# Altium PCB MB1272C.PcbDoc (part 6 of 10) (continued)
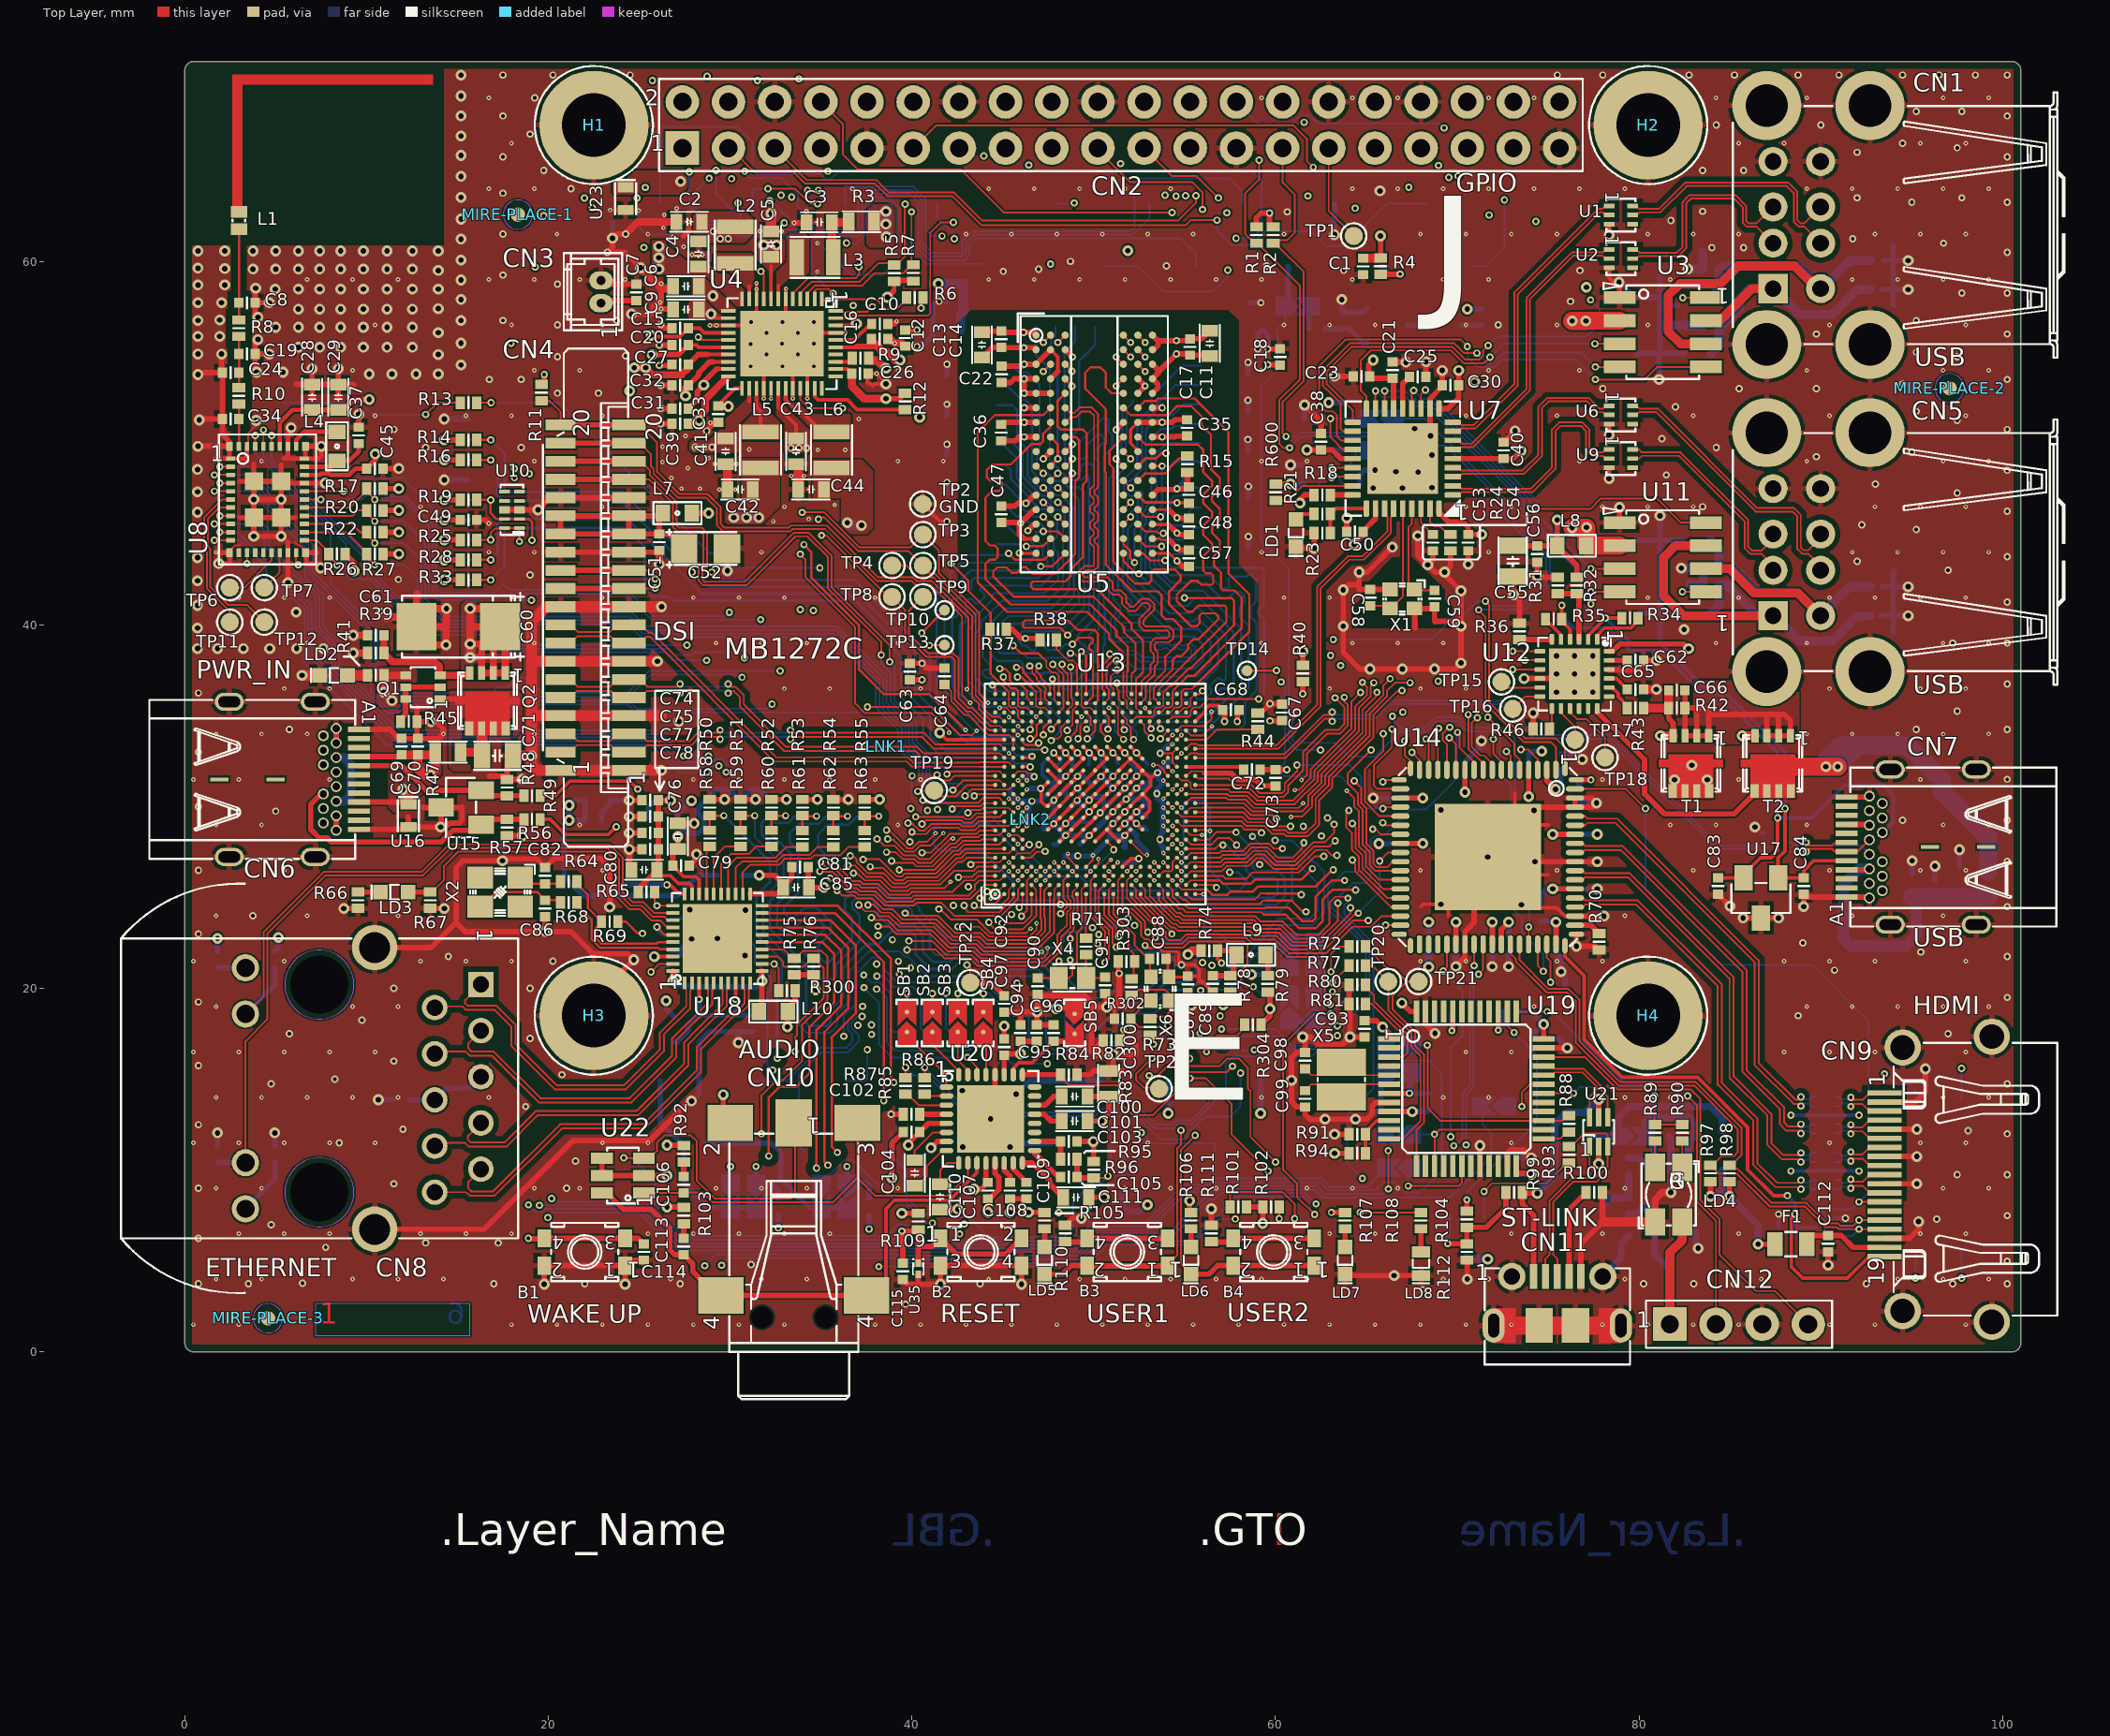
[diagram p0: Top Layer view]
## Nets (pads, with @x,y where several pads share a name; then routed paths per layer and width w, separated by ;. In a path a pad name is that pad's centre, name@x,y a point inside that pad or via, vN(x,y) a via of type N, cw(c..) or ccw(c..) an arc to the next point about the centre after c; other vN are vias at no path point) (continued)
  Top Layer w0.4: v3(9.275,38.45) R39.1@10.05,38.45 ; v3(9.275,39.425) C61.2@10.05,39.425 ; 11.075,40.35 11.15,40.425 12.225,40.425 C60.2@12.75,39.9 ; C60.2@12.725,38.9 v3(14.375,38.9) ; 12.775,41.7 12.75,41.675 C60.2@12.75,40.9 ; v3@14.4,38.9 v3(14.375,38.9) ; v3(14.4,40.9) 14.4,39.9 ; v3@14.425,40.9 C60.2@12.75,40.9 ; v1(24.25,61.5) 24.925,62.175 C2.1@27.05,62.175 ; v3(25.075,59.65) 26.2,58.525 26.25,58.475 C6.1@26.6,58.475 ; v3(26.1,43.325) C51.1@26.1,44.1 ; C16.1@38.751,55.801 v2(39.053,55.5) 39.45,55.5 C12.1@39.62,55.33 39.64,55.31 v1(40.28,55.31) ; LD4.1@80.875,7.15 80.875,8.375 81.275,8.775 v3(81.75,8.775) ; C60.2@12.75,39.9 14.4,39.9 ; C60.2@12.75,39.9 C60.2@12.75,40.9 ; v3(14.375,38.9) 14.375,39.875 14.4,39.9
  Top Layer w0.5: C4.1@28.125,61.1 C4.1@28.25,61.1 ; C41.1@29.75,48.85 29.85,48.75 C42.1@29.85,47.45 ; C43.1@33.625,48.85 33.625,48.75 33.75,48.625 C44.1@33.75,47.45 ; 78,7.15 LD4.1@80.875,7.15 ; C65.1@80.25,36.45 v3(80.95,36.45)
  Top Layer w0.6: v3(6.45,37.225) LD2.2@7.45,37.225 ; C71.1@18.05,32.8 v3(19.091,32.8) ; v3(26,38) CN4.7@24.425,38 CN4.7@20.675,38 19.138,38 19.091,37.952 ; v3(26.225,32) CN4.1@24.425,32 CN4.1@20.675,32 19.361,32 19.091,32.27 v3(19.091,32.8) ; 26.225,35 CN4.4@24.425,35 CN4.4@20.675,35 19.113,35 19.091,35.022 ; v3(26.225,41) CN4.10@24.425,41 CN4.10@20.675,41 20.557,41 20.554,41.003 19.903,41.003 19.091,40.191 19.091,37.952 ; C5.1@32.25,61.65 32.25,61.696 32.25,62.635 v3(32.255,62.64) ; v3(19.091,32.8) 19.091,35.022 ; 19.091,35.022 19.091,37.952
  Top Layer w1: CN11.9@72,1.45 CN11.10@74.5,1.45 CN11.11@76.5,1.45 CN11.8@79,1.45
  Signal Layer 1 w0.1: v3(36.5,30.4) 37.315,31.215 41.055,31.215 41.705,30.565 42.4,30.565 42.775,30.94 45.219,30.94 45.719,30.44 v2(45.83,30.44) ; v2(45.83,26.44) 46.205,26.815 ; v2(45.83,27.94) 45.83,27.19 46.205,26.815 ; v2(47.83,26.44) 47.455,26.815 ; v1(48.455,29.065) 47.905,28.515 47.905,27.404 47.455,26.954 47.455,26.815 ; v1(51.055,31.665) 51.055,32.315 v1(51.705,32.965) 51.705,33.015 52.03,33.34 53.93,33.34 54.33,32.94 v2(54.83,32.94) ; v1(53.505,31.865) 52.555,31.865 v1(52.355,31.665) 53.03,30.99 53.991,30.99 54.216,31.215 54.444,31.215 54.719,30.94 v2(54.83,30.94) ; v2(54.33,28.94) 54.055,28.665 51.955,28.665 v1(51.705,28.415) 52.405,27.715 53.944,27.715 54.719,26.94 v2(54.83,26.94) 55.388,26.382 55.388,25.807 56.02,25.175 v4(56.025,25.175) ; 46.205,26.815 47.455,26.815
  Signal Layer 1 w0.13: 50.525,25.425 50.525,26.05 ; 50.625,26.695 50.6,26.67 ; v1(51.055,29.065) 50.6,28.61 50.6,26.67 ; 50.525,26.05 50.6,26.125 50.6,26.67 ; 50.525,26.05 50.525,26.595 50.6,26.67
  Signal Layer 1 w0.2: v3(46.875,18.7) 46.875,19.36 47.08,19.565 ; 50.55,25.379 50.55,24.045 51.33,23.265 51.607,23.265 52.143,22.728 ; v1(51.4,20.82) v1@51.4,20.995 ; v2(54.83,32.94) 55.23,32.94 ; 64.23,37.42 64.23,36.465 ; 47.08,19.565 48.33,19.565 48.92,18.975 v3(50.725,18.975) 50.966,18.975 51.916,18.025 53.599,18.025 53.914,18.34 54.245,18.34 54.262,18.323 54.275,18.335 54.275,18.548 54.509,18.782 55.082,18.782 v3(55.375,19.075) 55.335,19.075 54.88,19.53 54.88,21.24 v1(54.83,21.29) 53.755,22.365 v1(52.83,22.365) 52.507,22.365 52.143,22.728 ; 47.08,19.565 47.415,19.9 49.815,19.9 51.155,21.24 v1@51.4,20.995 ; v1@51.4,20.995 51.4,21.36 51.755,21.715 51.755,22.44 52.043,22.728 52.143,22.728 ; 55.23,32.94 60.026,32.94 61.151,34.065 63.505,34.065 64.23,34.79 64.23,36.465 ; 55.23,32.94 55.23,33.091 55.629,33.49 57.414,33.49 57.814,33.89 58.241,33.89 58.566,34.215 59.98,34.215 60.233,34.468 60.233,34.943 61.03,35.74 61.78,35.74 62.505,36.465 64.23,36.465
  Signal Layer 1 w0.3: v3(61.5,17.325) v3@61.5,17.3 ; v3@61.513,17.312 v3@61.5,17.3 ; v3@64.08,17.305 v3@64.1,17.305 ; v3(64.1,17.325) v3@64.1,17.305 ; 64.23,37.42 64.23,37.575 ; v3(66.425,44.275) v3@66.555,44.405 ; v3@61.5,17.3 60.875,16.675 v3(60.875,14.95) 60.875,14.02 62.095,12.8 v3(62.725,12.8) v3(64.4,12.8) 65.54,12.8 65.855,13.115 65.855,16.465 65.015,17.305 v3@64.1,17.305 ; v3@61.5,17.3 61.5,17.275 61.85,16.925 63.825,16.925 64.1,17.2 v3@64.1,17.305 ; 64.23,37.575 v3(65.2,37.575) v3(66.975,37.575) v3(68.75,37.575) 69.875,37.575 v3(70.2,37.9) v3(70.2,39.925) v3(70.2,41.875) 70.2,42 v3(69.3,42.9) 68.775,42.9 v3(68.375,43.3) 68.375,44.35 v3(67.825,44.9) 67.05,44.9 v3@66.555,44.405 ; 64.23,37.575 64.23,38.44 63.725,38.945 v3(63.725,39.925) v3(63.725,41.925) 63.725,42.025 v3(64.6,42.9) 64.99,42.9 66.495,44.405 v3@66.555,44.405
  Signal Layer 2 w0.2: v1(57.9,34.69) 58.73,34.69 v1(59.7,35.66) 62,35.66 62.756,36.416 63.831,36.416 64.155,36.74 64.155,37.115 64.594,37.554 v3@64.922,37.554
  Signal Layer 2 w0.3: v3@0.7,49.8 v3(0.725,49.825) ; v3@0.725,51.35 v3(0.8,51.275) ; CN6.B1@8.33,28.7 CN6.B1@8.33,29.5 ; CN6.B12@8.33,33.5 CN6.B12@8.33,34.3
  Signal Layer 3 w0.3: CN6.B1@8.33,28.7 CN6.B1@8.33,29.5 ; CN6.B12@8.33,33.5 CN6.B12@8.33,34.3
  Signal Layer 4 w0.3: CN6.B1@8.33,28.7 CN6.B1@8.33,29.5 ; CN6.B12@8.33,33.5 CN6.B12@8.33,34.3
  Signal Layer 4 w0.5: v3(65.375,30.475) 65.8,30.475 68.498,33.173 69.928,33.173 71.07,34.315 75.16,34.315 v3(76.875,32.6) 77.595,32.6 79.13,31.065 79.13,25.03 v3(78.075,23.975) 78.075,22.16 75.63,19.715 73.08,19.715 71.925,20.87 v3(71.925,21.2) ; 74.955,21.74 76.48,23.265 76.48,31.22 v3(74.65,33.05) 74.025,32.425 72.367,32.425 71.33,33.462 v3(71.33,33.615) 70.13,32.415 68.83,32.415 66.53,30.115 66.53,28.815 v3(65.68,27.965) 66.505,27.14 66.505,24.62 v3(69.925,21.2) 70.59,21.865 72.179,21.865 72.825,21.219 v3(72.825,21.2) 73.29,21.665 74.96,21.665 v3(75.708,20.917)
  Bottom Layer w0.2: C146.1@47.15,32.325 47.165,32.325 v1(47.805,32.965) ; C146.1@47.17,32.31 47.17,31.755 47.592,31.333 C148.1@47.812,31.333 ; v1(48.455,31.665) 48.49,31.665 48.8,31.975 C145.1@48.8,32.14 ; C145.1@48.78,32.12 C145.1@48.8,32.14 ; C145.1@48.8,32.31 C145.1@48.8,32.14 ; v1(49.105,32.965) 48.85,32.71 48.85,32.19 C145.1@48.8,32.14 ; C155.1@49.261,29.234 49.339,29.156 49.846,29.156 v1(50.355,29.665) ; v1(50.405,32.965) 50.405,32.445 C144.1@50.5,32.35 ; C144.1@50.42,32.33 51.055,31.695 v1(51.055,31.665) ; v1(51.705,32.965) 51.995,32.675 52.005,32.363 C143.1@52.04,32.33 52.075,32.33 52.355,32.05 v1(52.355,31.665) 52.465,31.775 53.415,31.775 v1(53.505,31.865) ; v3(86.375,28.875) 86.725,28.525 U29.3@86.925,28.525 ; R164.1@87.675,6.85 v1(87.675,7.575) ; v1(88.35,9.95) U32.8@89.7,9.95 U32.3@90.75,9.95 v1(92.1,9.95) ; v1(88.35,13.025) U31.8@89.7,13.025 U31.3@90.75,13.025 v1(92.1,13.025) ; U33.2@90.7,7.35 v1(91.35,7.35)
  Bottom Layer w0.3: R163.1@1.8,11.325 v3(1.8,12.05) ; R162.1@4.95,11.325 v3(4.95,12.05) ; CN6.B1@8.33,28.7 CN6.B1@8.33,29.5 ; CN6.B12@8.33,33.5 CN6.B12@8.33,34.3 ; v3(10.65,13.875) C183.1@11.5,13.875 ; v3(14.275,47.975) CN15.6@15.6,47.975 ; v3(14.275,51.325) CN15.9@15.6,51.325 ; v3(17.475,27.025) 17.475,28 17.875,28.4 v3(18.575,28.4) ; U26.3@17.89,46.325 U26.8@18.71,46.325 19.424,46.325 v3(19.426,46.327) ; C157.1@22.925,29.25 22.925,29.675 23.425,30.175 C151.1@23.425,30.375 23.45,30.35 v3(24.45,30.35) ; v3(23.525,61.275) 23.525,62.125 ; R155.2@26.7,22.075 27.225,22.075 ; v3(27.875,13.8) 27.9,13.8 28.3,14.2 C180.1@28.3,17.05 28.875,17.625 C179.1@29.425,17.625 C178.1@30.325,17.625 C178.1@30.38,17.625 ; v3(30.455,17.015) 30.455,17.55 C178.1@30.38,17.625 ; v3(30.825,21.8) C174.1@30.825,20.975 C175.1@29.925,20.975 C176.1@29.025,20.975 28.475,20.975 C173.1@27.9,21.55 27.7,21.55 27.2,22.05 27.225,22.075 ; C177.1@31.225,17.625 C178.1@30.38,17.625 ; v1(40.28,55.31) 40.535,55.31 41.155,55.93 C122.1@41.155,56.255 ; C122.1@41.155,56.265 C122.1@41.16,56.27 ; C134.2@41.91,45.08 41.93,45.1 v1(41.93,45.69) ; C131.2@41.91,47.2 41.93,47.22 v1(41.93,47.84) ; C130.2@41.91,49.3 41.93,49.32 v1(41.93,49.94) ; C128.2@41.91,51.51 41.93,51.53 v1(41.93,52.14) ; C126.2@41.91,53.72 41.93,53.74 v1(41.93,54.34) ; C120.2@41.925,57.75 41.875,57.8 v1(41.5,57.8) 41.335,57.8 41.16,57.625 C122.1@41.16,56.27 ; 45.125,11.425 45.176,11.476 CN16.7@46.48,11.476 47.651,11.476 47.7,11.525 ; C149.1@45.407,30.957 45.407,30.768 45.875,30.3 v1(46.6,30.3) ; v3(45.725,14.175) 46.455,14.904 CN16.6@49.02,14.904 50.329,14.904 51.075,15.65 v3(51.075,16.35) ; C156.1@46.35,28.975 46.35,29.725 46.425,29.8 46.425,30.125 v1(46.6,30.3) ; C148.1@47.75,31.175 47.75,31.034 47.016,30.3 v1(46.6,30.3) ; C148.1@47.812,31.333 48.144,31.665 v1(48.455,31.665) ; C163.1@48.448,27.284 48.433,27.269 v1@49.125,27.269 ; v1(48.455,29.065) 49.091,29.065 C155.1@49.261,29.234 ; v1(49.105,31.015) v1(49.755,30.365) 49.924,30.534 C150.1@50.561,30.534 50.561,30.1 ; v1(49.125,27.3) v1@49.125,27.269 ; v1(50.355,29.665) 50.561,29.871 50.561,30.1 ; v1(51.705,29.715) v1(51.055,29.065) 50.886,28.896 C159.1@50.886,28.259 ; v1(52.355,31.665) v1(51.705,31.015) 50.79,30.1 50.561,30.1 ; C147.1@53.8,31.275 53.475,30.95 v1(53.475,30.725) 53.475,30.5 C152.1@53.8,30.175 53.8,28.575 53.65,28.425 v1(53.65,28.2) 53.65,27.925 53.825,27.75 C191.1@53.825,27.55 ; C147.1@53.806,31.294 53.505,31.595 v1(53.505,31.865) 54.13,32.49 C139.1@54.255,32.49 ; v1(54.58,47.49) 55.02,47.93 R136.1@55.02,48.08 ; C135.2@58.47,44.24 58.51,44.28 v1(58.51,44.86) ; C132.2@58.47,47.01 58.51,47.05 v1(58.51,47.62) ; C129.2@58.47,49.59 58.48,49.6 v1(58.48,50.2) ; C127.2@58.47,51.74 58.48,51.75 v1(58.48,52.35) ; C125.2@58.49,53.83 v1(58.49,54.44) ; C119.2@58.575,57.75 58.595,57.73 v1(59.195,57.73) ; v1(59.03,55.19) 59.03,56.03 59.26,56.26 59.58,55.94 v1(59.58,55.18) ; 60.8,18.225 62.125,18.225 62.175,18.175 ; v3(60.825,48.8) R137.1@61.55,48.8 ; v3(61.5,17.325) 61.05,17.775 61.05,18.175 62.175,18.175 ; R129.1@61.55,51.35 61.6,51.4 v3(61.6,52.1) ; SB12.1@62.175,18.45 62.175,18.175 ; v3(63.244,61.469) CN13.7@63.244,63.164 ; v3(63.65,57.9) R119.1@63.65,57.2 64.8,57.2 T4.2@65.025,57.425 ; v3(64.4,12.8) 65.025,12.8 65.45,13.225 C184.1@65.8,13.225 C182.1@65.8,14.225 65.8,14.875 SB18.1@66.3,15.375 ; R139.1@64.625,47.75 64.625,48.25 64.9,48.525 v3(65.475,48.525) ; v3(65.375,30.475) C154.1@66.425,30.475 ; v3(65.68,27.965) 66.415,27.965 C164.1@66.425,27.975 ; v3(68.775,17.525) 68.775,18.7 R159.1@68.8,18.725 ; v3(69.925,21.2) C172.1@69.925,21.975 ; C142.1@70.425,32.475 71.33,33.38 v3(71.33,33.615) ; v3(71.925,21.2) C171.1@71.925,21.975 ; v3(72.825,21.2) C170.1@72.825,21.975 ; C186.1@73.25,10.675 v3(74.075,10.675) ; C141.1@73.925,32.475 73.925,32.875 74.1,33.05 v3(74.65,33.05) ; C181.1@75.2,17.225 75.55,17.225 v3(76.05,16.725) ; C169.1@75.425,21.975 75.708,21.692 v3(75.708,20.917) 75.95,20.675 75.95,20.175 ; C140.1@75.7,32.925 76.55,32.925 v3(76.875,32.6) ; v3(76.55,22.325) v3@76.575,22.35 ; R149.1@76.65,30.275 77.587,30.275 v3(77.662,30.2) ; C168.1@76.925,25.475 v3(77.7,25.475) ; C160.1@76.925,28.475 v3(77.7,28.475) ; v3(78.9,58.85) 79.725,58.025 C118.1@81.15,58.025 ; 79.8,44.675 79.825,44.65 C133.1@81.15,44.65 ; 79.85,54.875 79.9,54.925 C124.1@81.15,54.925 ; 80,40.675 80.025,40.65 C138.1@81.15,40.65 ; v3(81.1,53.5) 81.1,54.875 C124.1@81.15,54.925 ; v3(81.15,46) C133.1@81.15,44.65 ; 81.175,39.3 81.15,39.325 C138.1@81.15,40.65 ; 81.2,59.625 81.15,59.575 C118.1@81.15,58.025 ; 81.475,56.475 81.15,56.15 ; 82.125,57.575 81.525,57.575 C118.1@81.15,57.95 ; 82.4,44.675 82.375,44.65 C133.1@81.15,44.65 ; 82.425,40.525 82.3,40.65 C138.1@81.15,40.65 ; 82.525,54.925 C124.1@81.15,54.925 ; C136.1@83.475,43.125 C136.1@83.5,43.1 ; 93.3,40.475 93.325,40.5 U28.2@93.975,40.5 ; 93.325,58.45 U25.2@93.975,58.45 ; 93.35,42.1 U27.2@93.975,42.1 ; 93.425,60.05 U24.2@93.975,60.05 ; 93.975,39.625 U28.2@93.975,40.5 ; 93.975,60.85 U24.2@93.975,60.05 ; 94.025,42.975 93.975,42.925 U27.2@93.975,42.1 ; 94.025,57.575 93.975,57.625 U25.2@93.975,58.45 ; v3(94.8,40.5) U28.2@93.975,40.5 ; v3(94.8,42.1) U27.2@93.975,42.1 ; v3(94.8,58.45) U25.2@93.975,58.45 ; v3(94.8,60.05) U24.2@93.975,60.05 ; U30.2@95.025,26.275 v3(95.025,27.025) ; C167.1@96.225,26.025 C167.1@96.275,25.975 ; C167.1@96.275,25.925 C167.1@96.275,25.975 ; v3(96.275,26.725) C167.1@96.275,25.975 ; C166.1@97.625,26.725 v3(97.625,27.625) ; 27.225,22.075 v3(27.875,22.725) 27.225,22.075 ; C122.1@41.155,56.255 C122.1@41.16,56.26 ; C122.1@41.155,56.255 41.157,56.261 C122.1@41.16,56.27 ; C122.1@41.16,56.26 C122.1@41.16,56.27 ; C122.1@41.16,56.26 41.17,56.25 41.164,56.262 C122.1@41.16,56.27 ; v1@49.125,27.269 49.14,27.284 49.911,27.284 C159.1@50.886,28.259 ; C159.1@50.886,28.259 51.051,28.425 51.695,28.425 v1(51.705,28.415) C165.1@51.705,27.855 ; C165.1@51.705,27.855 51.65,27.8 51.705,27.745 C165.1@51.705,27.855 ; C138.1@81.15,40.65 C133.1@81.15,44.65 ; C124.1@81.15,54.925 81.15,56.15 ; 81.15,56.15 C118.1@81.15,57.95 ; C118.1@81.15,57.95 C118.1@81.15,58.025 ; U28.2@93.975,40.5 U27.2@93.975,42.1 ; U25.2@93.975,58.45 U24.2@93.975,60.05
  Bottom Layer w0.4: CN11.7@78,4.15 79,5.15 79,5.95 C190.1@79.45,6.4 ; 78,7.15 78,8.05 78.425,8.475 C188.1@79.425,8.475 ; C188.1@79.425,8.475 C187.1@79.425,9.775 ; C185.2@81.65,11.85 81.75,11.75 U34.2@81.75,10.225 v3(81.75,8.775) ; C189.1@83.125,6.625 83.125,5.9 83.25,5.775 v3(83.25,5.7)
  Bottom Layer w0.5: 81.475,56.475 C123.1@83.5,56.475 ; v3(82.325,43.125) C136.1@83.475,43.125 ; v3(82.675,59.575) C117.1@83.5,59.575 83.5,60.475 83.45,60.525 ; 82.8,42.275 82.875,42.2 C137.1@83.5,42.2 C136.1@83.5,43.1
  other v1: 39.65,2.625 68.075,3.425 0.75,3.75 3.5,3.75 17,3.75 22,3.75 27.25,3.75 43.75,3.75 80.25,3.75 83,3.75 85.25,3.75 92.5,3.75 97.25,3.75 100.25,3.75 6.475,3.775 31.15,4.8 100.25,5 7.75,5.75 13.25,6 17.25,6 0.75,6.25 4.75,7 96.375,7.3 100.25,7.5 0.75,9 21,9 11.5,9.25 97.5,9.75 100.25,9.75 21.5,10.5 8.5,11.5 100.25,12 98.1,12.175 12,12.25 0.75,12.5 18.75,13.5 4.75,14.75 100.25,14.75 8.25,15 20.75,15.25 0.75,15.75 11.5,16 19,17.25 5.75,17.5 97,17.5 9.75,18.25 88.75,18.5 0.75,19.25 100.25,19.5 11.5,20 19,20 90.75,21 20.25,21.5 14.5,21.75 100.25,21.75 95.5,22 89,22.5 0.75,23 3.75,24 100.25,24.5 0.75,26.5 100.25,27 94.5,29.25 100.25,29.25 5,29.75 0.75,30 100.25,31.5 0.75,33 5.75,34.25 95.25,34.25 100.25,34.25 97.5,35.25 0.75,36.25 100.25,36.75 97.25,39 100.25,39 10.75,40.75 100.25,41.25 11.75,42.5 19,42.75 97,43 92,43.5 100.25,43.75 45.91,43.95 95.25,45.25 92.25,45.5 100.25,46.25 83.5,46.5 97.5,47.25 93,47.75 81.5,48.25 100.25,48.5 89.75,49.25 95,49.5 13.25,49.75 18.5,49.75 84.25,49.75 81.25,50.25 11.5,50.75 100.25,50.75 97.5,51.25 95.25,51.75 82,52 20.5,52.75 22.75,52.75 78,53 85.5,53 89.75,53 94.5,53.25 16.75,53.5 18.5,53.5 100.25,53.5 31.125,54.225 32.875,54.225 34.6,54.225 20.5,54.75 48.83,54.74 97.5,54.75 24.25,54.801 32,54.875 33.725,54.875 95.25,55 31.125,55.45 34.6,55.475 89.75,56 100.25,56 32,56.075 33.725,56.075 20.5,56.5 72.25,56.5 31.15,56.65 32.875,56.65 34.6,56.65 17.5,56.75 23.75,56.75 95.25,56.75 76.225,57.8 97.75,58.25 100.25,58.25 20.5,58.75 17.5,59.25 45.025,59.45 63.75,59.5 76.75,59.5 46.975,59.575 54,59.75 59.5,59.75 48.725,60 100.25,60.5 84,60.75 85.75,60.75 96.75,61 91.75,61.25 17.5,61.5 81.75,62.25 19.75,62.5 60.65,62.725 83.5,62.75 95,63.25 100.25,63.25 92,63.5 97.75,63.5 17.5,63.75 21.25,64 19.75,65 83.5,65 85.75,65 17.5,65.75 100.25,65.75 92,66 97.5,66.25 94.5,66.5 19,67 84.25,67.5 90,67.5 17.5,68 100.25,68 95.25,68.25 97.75,68.25 19.25,69 17.5,70.25 20.25,70.25 24.5,70.25 75.5,70.25 78,70.25 82.75,70.25 85.25,70.25 88.75,70.25 91,70.25 94.5,70.25 96.5,70.25 98.5,70.25 100.25,70.25
  other v2: 0.475,1.5 2.975,1.5 17.975,1.5 20.475,1.5 22.975,1.5 25.475,1.5 27.975,1.5 30.475,1.5 32.975,1.5 37.975,1.5 40.475,1.5 42.975,1.5 45.475,1.5 47.975,1.5 50.475,1.5 52.975,1.5 55.475,1.5 57.975,1.5 60.475,1.5 62.975,1.5 65.475,1.5 67.975,1.5 70.475,1.5 72.975,1.5 77.975,1.5 80.475,1.5 82.975,1.5 85.475,1.5 90.475,1.5 92.975,1.5 97.975,1.5 1.725,4 4.225,4 9.225,4 11.725,4 14.225,4 26.725,4 31.725,4 34.225,4 44.225,4 49.225,4 51.725,4 54.225,4 56.725,4 59.225,4 61.725,4 69.225,4 71.725,4 79.225,4 86.725,4 94.225,4 96.725,4 99.225,4 2.975,6.5 5.475,6.5 7.975,6.5 12.975,6.5 15.475,6.5 17.975,6.5 25.475,6.5 27.975,6.5 30.475,6.5 32.975,6.5 35.475,6.5 62.975,6.5 65.475,6.5 72.975,6.5 77.975,6.5 85.475,6.5 95.475,6.5 97.975,6.5 1.725,9 4.225,9 19.225,9 21.725,9 29.225,9 31.725,9 34.225,9 39.225,9 51.725,9 54.225,9 56.725,9 61.725,9 64.225,9 66.725,9 79.225,9 96.725,9 99.225,9 0.475,11.5 2.975,11.5 5.475,11.5 7.975,11.5 10.475,11.5 22.975,11.5 25.475,11.5 52.975,11.5 72.975,11.5 90.475,11.5 95.475,11.5 97.975,11.5 1.725,14 4.225,14 6.725,14 9.225,14 11.725,14 16.725,14 59.225,14 69.225,14 71.725,14 79.225,14 81.725,14 96.725,14 99.225,14 0.475,16.5 2.975,16.5 5.475,16.5 7.975,16.5 10.475,16.5 70.475,16.5 72.975,16.5 87.975,16.5 90.475,16.5 92.975,16.5 97.975,16.5 1.725,19 9.225,19 11.725,19 51.725,19 74.225,19 89.225,19 91.725,19 94.225,19 96.725,19 99.225,19 0.475,21.5 5.475,21.5 12.975,21.5 15.475,21.5 17.975,21.5 67.975,21.5 70.475,21.5 75.475,21.5 77.975,21.5 87.975,21.5 90.475,21.5 92.975,21.5 97.975,21.5 1.725,24 6.725,24 11.725,24 79.225,24 91.725,24 96.725,24 5.475,26.5 22.975,26.5 67.975,26.5 75.475,26.5 82.975,26.5 90.475,26.5 95.475,26.5 97.975,26.5 1.725,29 4.225,29 21.725,29 39.225,29 81.725,29 84.225,29 89.225,29 96.725,29 99.225,29 0.475,31.5 2.975,31.5 7.975,31.5 27.975,31.5 30.475,31.5 32.975,31.5 35.475,31.5 37.975,31.5 40.475,31.5 77.975,31.5 85.475,31.5 95.475,31.5 1.725,34 4.225,34 6.725,34 14.225,34 19.225,34 89.225,34 91.725,34 94.225,34 96.725,34 99.225,34 5.475,36.5 7.975,36.5 32.975,36.5 35.475,36.5 40.475,36.5 62.975,36.5 67.975,36.5 70.475,36.5 90.475,36.5 95.475,36.5 97.975,36.5 6.725,39 19.225,39 29.225,39 31.725,39 34.225,39 39.225,39 59.225,39 64.225,39 66.725,39 69.225,39 84.225,39 89.225,39 96.725,39 99.225,39 2.975,41.5 5.475,41.5 7.975,41.5 10.475,41.5 17.975,41.5 22.975,41.5 27.975,41.5 30.475,41.5 32.975,41.5 37.975,41.5 60.475,41.5 62.975,41.5 80.475,41.5 85.475,41.5 90.475,41.5 92.975,41.5 95.475,41.5 97.975,41.5 1.725,44 16.725,44 19.225,44 31.725,44 59.225,44 71.725,44 91.725,44 94.225,44 96.725,44 99.225,44 32.375,45.7 34.325,45.825 12.975,46.5 22.975,46.5 32.975,46.5 70.475,46.5 72.975,46.5 77.975,46.5 80.475,46.5 82.975,46.5 92.975,46.5 95.475,46.5 97.975,46.5 35.75,46.6 29.4,47.45 30.3,47.45 26.775,48.075 33.375,48.2 34.05,48.2 27.675,48.625 29.175,48.85 30.325,48.85 4.225,49 19.225,49 39.225,49 41.725,49 59.225,49 61.725,49 76.725,49 89.225,49 96.725,49 99.225,49 28.825,49.175 31.05,49.65 34.825,49.625 36.325,49.625 26.8,50.4 27.55,50.4 28.911,51.125 37.075,51.325 10.475,51.5 15.475,51.5 17.975,51.5 22.975,51.5 70.475,51.5 75.475,51.5 82.975,51.5 90.475,51.5 97.975,51.5 9.225,54 19.225,54 21.725,54 39.225,54 59.225,54 71.725,54 76.725,54 89.225,54 96.725,54 99.225,54 10.475,56.5 17.975,56.5 22.975,56.5 60.475,56.5 62.975,56.5 65.475,56.5 67.975,56.5 70.475,56.5 75.475,56.5 80.475,56.5 90.475,56.5 97.975,56.5 33.075,58.5 6.725,59 9.225,59 11.725,59 16.725,59 19.225,59 21.725,59 24.225,59 44.225,59 46.725,59 49.225,59 51.725,59 54.225,59 56.725,59 59.225,59 64.225,59 69.225,59 71.725,59 81.725,59 91.725,59 94.225,59 96.725,59 99.225,59 34.8,59.425 27.9,60.375 28.475,60.375 27.45,60.8 34.8,61 26.85,61.35 20.475,61.5 25.475,61.5 42.975,61.5 45.475,61.5 47.975,61.5 50.475,61.5 52.975,61.5 55.475,61.5 60.475,61.5 67.975,61.5 70.475,61.5 72.975,61.5 75.475,61.5 80.475,61.5 82.975,61.5 85.475,61.5 92.975,61.5 95.475,61.5 97.975,61.5 31.65,61.65 32.825,61.65 26.325,61.85 27.7,62.175 26.375,62.55 34.2,62.775 24.975,62.8 23.4,62.825 27.05,62.925 16.725,64 19.225,64 36.725,64 44.225,64 46.725,64 49.225,64 51.725,64 54.225,64 64.225,64 66.725,64 69.225,64 71.725,64 74.225,64 76.725,64 79.225,64 89.225,64 91.725,64 94.225,64 96.725,64 99.225,64 17.975,66.5 85.475,66.5 87.975,66.5 95.475,66.5 97.975,66.5 16.725,69 59.225,69 64.225,69 66.725,69 71.725,69 74.225,69 84.225,69 89.225,69 96.725,69 99.225,69
  other v3: 42.8,11.275 45.4,11.275 42.775,14.375 29.3,22.75 30.85,24.3 27.775,24.325 73.525,24.6 74.225,29.8 69.1,29.825 27.18,34.69 75.45,36.3 76.45,36.3 77.45,36.3 76.45,37.3 77.45,37.3 75.45,38.3 76.45,38.3 77.45,38.3 0.7,38.7 1.8,38.7 3.225,38.7 4.675,38.7 6.15,38.7 7.625,38.7 82.475,39.75 0.7,39.825 6.125,40.7 0.7,41.075 0.7,42.425 0.7,43.7 0.7,46.2 0.7,47.325 65.375,47.525 66.975,47.525 68.6,47.55 67.85,48.4 66.625,48.425 0.7,48.55 68.6,49.35 68.525,50.4 67.65,50.8 10.15,53.8 11.4,53.8 12.725,53.8 13.95,53.8 5.4,53.9 15.2,54.3 13.95,54.875 0.725,54.9 6.25,55.275 7.425,55.275 8.575,55.275 9.825,55.275 11.125,55.275 12.525,55.275 15.2,55.5 4.025,55.7 0.725,55.875 1.925,55.875 13.95,56.075 5,56.375 6.25,56.375 7.425,56.375 8.575,56.375 9.825,56.375 11.125,56.375 12.525,56.375 0.725,56.75 15.2,56.75 1.925,56.775 4.025,56.925 6.25,57.375 7.425,57.375 8.575,57.375 9.825,57.375 11.125,57.375 12.525,57.375 13.95,57.4 0.725,57.725 2.025,57.725 15.2,57.9 4.975,58.475 6.25,58.475 7.425,58.475 8.575,58.475 9.825,58.475 11.125,58.475 12.525,58.475 13.95,58.475 3.9,58.525 0.725,58.7 2.2,58.7 15.2,58.975 13.95,59.5 3.75,59.575 5,59.575 6.25,59.575 7.425,59.575 8.575,59.575 9.825,59.575 11.125,59.575 12.525,59.575 2.2,59.6 0.725,59.625 15.2,60.075 0.725,60.575 2.2,60.575 3.75,60.575 5,60.575 6.25,60.575 7.425,60.575 8.575,60.575 9.825,60.575 11.125,60.575 12.525,60.575 13.95,60.575 15.2,61.225 15.2,62.325 15.2,63.525 65.75,63.875 15.2,64.675 15.2,65.825 15.2,66.9 15.2,68 15.2,69.1 15.2,70.25
  other v4: 52.83,35.44 27.325,47.5 28.35,47.5 26.275,48.95 26.275,49.8
HDMI_CEC: U13.Y14 U14.50 | length 35.2
  Top Layer w0.1: v4(53.28,32.29) 53.575,32.29 53.88,31.985 53.88,31.89 U13.Y14@54.08,31.69 ; U14.50@73.925,22.425 v1(73.925,23.375)
  Signal Layer 1 w0.1: v4(53.28,32.29) 53.575,32.29 53.7,32.165 53.944,32.165 54.019,32.24 60.176,32.24 60.601,32.665 61.655,32.665 61.955,32.365 63.58,32.365 66.18,34.965 v1(66.43,34.965)
  Bottom Layer w0.1: v1(66.43,34.965) 66.43,34.821 66.935,34.316 68.173,34.316 68.773,34.915 70.105,34.915 70.681,34.34 72.589,34.34 73.156,33.773 73.156,25.605 73.975,24.786 73.975,23.425 v1(73.925,23.375)
HDMI_INT: U13.W1 U14.52 | length 29.6
  Top Layer w0.1: U13.W1@53.58,25.19 53.58,24.87 54.5,23.95 54.691,23.95 54.866,23.775 58.809,23.775 59.106,23.479 60.323,23.479 61.061,22.74 62.449,22.74 63.43,23.721 v1(63.43,24.69) ; 74.925,21.69 U14.52@74.925,22.425 ; 74.93,21.69 75.13,21.49 v1(75.13,20.34)
  Signal Layer 3 w0.1: v1(63.43,24.69) 63.43,22.195 65.285,20.34 v1(75.13,20.34)
HDMI_NRST: R40.2 U13.Y17 U14.51 | length 41
  Top Layer w0.1: U13.Y17@54.08,33.19 v2(54.33,33.44) ; U14.51@74.425,22.425 74.425,21.245 74.625,21.045 v1(74.73,20.94)
  Top Layer w0.3: v1(61.5,36.2) R40.2@61.5,36.875
  Signal Layer 1 w0.1: v2(54.33,33.44) 54.719,33.44 55.019,33.74 56.79,33.74 57.55,34.5 57.55,34.885 59.065,36.4 61.3,36.4 v1(61.5,36.2)
  Bottom Layer w0.1: v1(61.5,36.2) 60.925,35.625 60.925,33.665 61.075,33.515 63.255,33.515 64.005,32.765 65.476,32.765 66.827,34.116 68.256,34.116 68.855,34.715 70.022,34.715 70.598,34.14 72.05,34.14 72.33,33.86 72.33,31.815 72.956,31.189 72.956,24.464 73.555,23.865 73.555,23.065 74.73,21.89 v1(74.73,20.94)
HPD: CN9.19 R164.2 U14.54 U33.4 | length 33.7
  Top Layer w0.2: U14.54@75.925,22.35 75.925,21.75 76.975,20.7 76.975,17.186 79.061,15.1 83.225,15.1 85.975,12.35 85.975,10.025 87.4,8.6 v1(88.15,8.6) ; v1(88.575,7.575) 88.375,7.375 88.375,4.675 89,4.05 91.45,4.05 92.65,5.25 CN9.19@93.5,5.25
  Bottom Layer w0.2: v1(88.15,8.6) 88.575,8.175 v1(88.575,7.575) R164.2@88.575,6.85 U33.4@89.75,6.85
HSE_IN: C88.2 U13.P1 X6.3 | length 5.5
  Top Layer w0.1: U13.P1@51.08,25.19 51.08,24.099 52.254,22.925 52.254,22.371 52.95,21.675 C88.2@53.1,21.675 ; C88.2@53.1,21.625 53.1,20.725 X6.3@53.2,20.625
HSE_OUT: R73.2 R303.1 U13.P2 | length 5.9
  Top Layer w0.09: 50.83,24.067 50.83,25.44 U13.P2@51.08,25.69
  Top Layer w0.1: 50.83,24.067 51.925,22.972 51.925,22.175 52.2,21.9 52.2,20.55 R73.2@52.25,20.5
I2C1_SCL: CN2.28 CN4.11 R1.2 R85.2 SB8.1 U13.Y18 U14.1 | length 211.6
  Top Layer w0.1: CN4.11@24.425,42 25.85,42 v1(25.875,42.025) ; R85.2@39.65,15.075 v1(39.65,15.65) ; U13.Y18@54.08,33.69 v2(54.33,33.94) ; v1(59.1,65.575) 59.1,64.5 58.325,63.725 58.325,61.525 58.85,61 R1.2@58.95,61 59,61 61.35,58.65 61.35,53.508 60.2,52.358 60.2,49.975 60.435,49.74 v1(60.78,49.74) ; v1@71.575,41.3 71.755,41.12 71.755,35.74 73.745,33.75 75.425,33.75 75.925,33.25 U14.1@75.925,32.1
  Top Layer w0.3: CN4.11@20.675,42 CN4.11@24.425,42
  Signal Layer 1 w0.1: v2(54.33,33.94) 54.355,33.94 54.703,34.288 55.088,34.288 59.04,38.24 60.371,38.24 60.511,38.1 62.19,38.1 63.18,39.09 v1(63.18,39.19)
  Signal Layer 2 w0.1: v1(21.98,63.49) 23.261,63.49 24.386,64.615 25.615,64.615 25.975,64.975 25.975,67.225 26.345,67.595 31.055,67.595 31.275,67.375 31.275,65.743 31.475,65.543 31.475,62.784 32.069,62.19 32.441,62.19 32.716,62.464 36.114,62.464 37.4,63.75 42.846,63.75 43.406,63.19 47.265,63.19 48.93,64.855 58.38,64.855 v1(59.1,65.575)
  Signal Layer 3 w0.1: v1(21.98,63.49) 21.575,63.085 21.575,46.333 25.875,42.033 v1(25.875,42.025) ; v1(39.65,15.65) 39.635,15.665 v1@39.655,15.665 ; v1(59.1,65.575) 59.1,67.48 CN2.28@60.39,68.77 ; v1(63.4,17.4) 63.75,17.75 63.75,19.442 63.755,19.447 63.755,21.323 63.075,22.003 63.075,24.83 63.285,25.04 63.515,25.04 64.9,26.425 65.933,26.425 66.456,26.948 66.456,33.538 70.168,37.25 70.469,37.25 71.55,38.331 v1(71.55,41.3)
  Bottom Layer w0.1: v1(39.65,15.65) 40.092,15.208 40.859,15.208 42.72,13.347 44.903,13.347 45.275,12.975 50.089,12.975 50.264,13.15 52.5,13.15 53.35,12.3 54.42,12.3 54.66,12.54 55.427,12.54 57.281,14.393 57.281,15.86 57.682,16.261 61.994,16.261 63.133,17.4 v1(63.4,17.4) ; v1(60.78,49.74) 61.415,50.375 66.675,50.375 66.8,50.25 66.8,49.95 66.7,49.85 ; v1(63.18,39.19) 68.565,39.19 69.75,40.375 70.165,40.375 71.09,41.3 v1(71.55,41.3) 71.8,41.05 73.625,41.05 74.9,42.325 74.9,43.617 72.575,45.942 72.575,46.675 69.4,49.85 66.7,49.85 ; 66.35,49.85 66.7,49.85
I2C1_SDA: CN2.27 CN4.12 R2.2 R86.2 SB7.1 U13.Y4 U14.2 | length 199
  Top Layer w0.1: CN4.12@24.425,43 25.403,43 v1(25.876,42.527) ; R86.2@40.7,15.075 v1(40.7,15.65) ; v2(53.83,26.94) U13.Y4@54.08,26.69 ; R2.2@59.875,61 60.05,61.175 60.65,61.175 61.05,61.575 61.05,63.675 60.39,64.335 CN2.27@60.39,66.23 ; R2.2@60.125,60.85 61.55,59.425 61.55,53.425 60.4,52.275 60.4,50.545 v1(60.58,50.365) ; v1@71.162,40.812 71.555,40.42 71.555,35.657 73.662,33.55 75.15,33.55 75.425,33.275 U14.2@75.425,32.025
  Top Layer w0.3: CN4.12@20.675,43 CN4.12@24.425,43
  Signal Layer 1 w0.1: v2(53.83,26.94) 53.805,26.915 53.805,25.632 54.222,25.215 54.446,25.215 57.321,22.34 57.423,22.34 57.98,21.783 57.98,20.997 56.631,19.647 56.631,19.304 56.632,19.303 56.632,18.847 56.631,18.846 56.631,18.661 56.605,18.635 56.605,18.345 56.613,18.338 55.825,17.55 v1(55.85,17.525)
  Signal Layer 2 w0.1: v1(22.425,62.95) 23.004,62.95 24.469,64.415 25.735,64.415 26.25,63.9 28.935,63.9 29.935,64.9 30.245,64.9 30.655,65.31 30.945,65.31 31.275,64.98 31.275,62.701 32.226,61.75 36,61.75 37.8,63.55 42.764,63.55 43.599,62.715 47.211,62.715 49.151,64.655 58.815,64.655 CN2.27@60.39,66.23
  Signal Layer 3 w0.1: v1(22.425,62.95) 22.025,62.95 21.775,62.7 21.775,46.628 v1(25.876,42.527) ; v1(55.85,17.525) 55.85,16.325 56.325,15.85 v1(56.325,14.075) ; v1(63.4,17.95) 63.45,17.95 63.55,18.05 63.55,19.675 ; 63.555,19.675 63.555,21.24 62.875,21.92 62.875,24.913 63.455,25.493 63.455,26.085 63.66,26.29 64.482,26.29 64.817,26.625 65.85,26.625 66.256,27.031 66.256,29.261 66.255,29.262 66.255,33.62 70.085,37.45 70.386,37.45 71.35,38.414 71.35,40.625 71.175,40.8 v1(71.175,40.825)
  Bottom Layer w0.1: v1(40.7,15.65) 42.803,13.547 44.985,13.547 45.358,13.175 50.006,13.175 50.181,13.35 52.583,13.35 53.433,12.5 54.337,12.5 54.577,12.74 55.344,12.74 56.35,13.746 56.35,14.05 v1(56.325,14.075) ; v1(55.85,17.525) 56.175,17.525 56.325,17.375 60.05,17.375 60.775,16.65 62.1,16.65 v1(63.4,17.95) ; v1(60.58,50.365) 61.122,50.365 61.332,50.575 66.475,50.575 66.575,50.675 66.575,51.35 ; 66.625,51.625 SB7.1@66.35,51.35 66.575,51.35 ; v1(71.175,40.825) 71.2,40.85 73.708,40.85 75.1,42.242 75.1,43.7 72.775,46.025 72.775,46.786 68.211,51.35 66.575,51.35